# Altium PCB node-test-array__B4.PcbDoc (part 3 of 3) (continued)
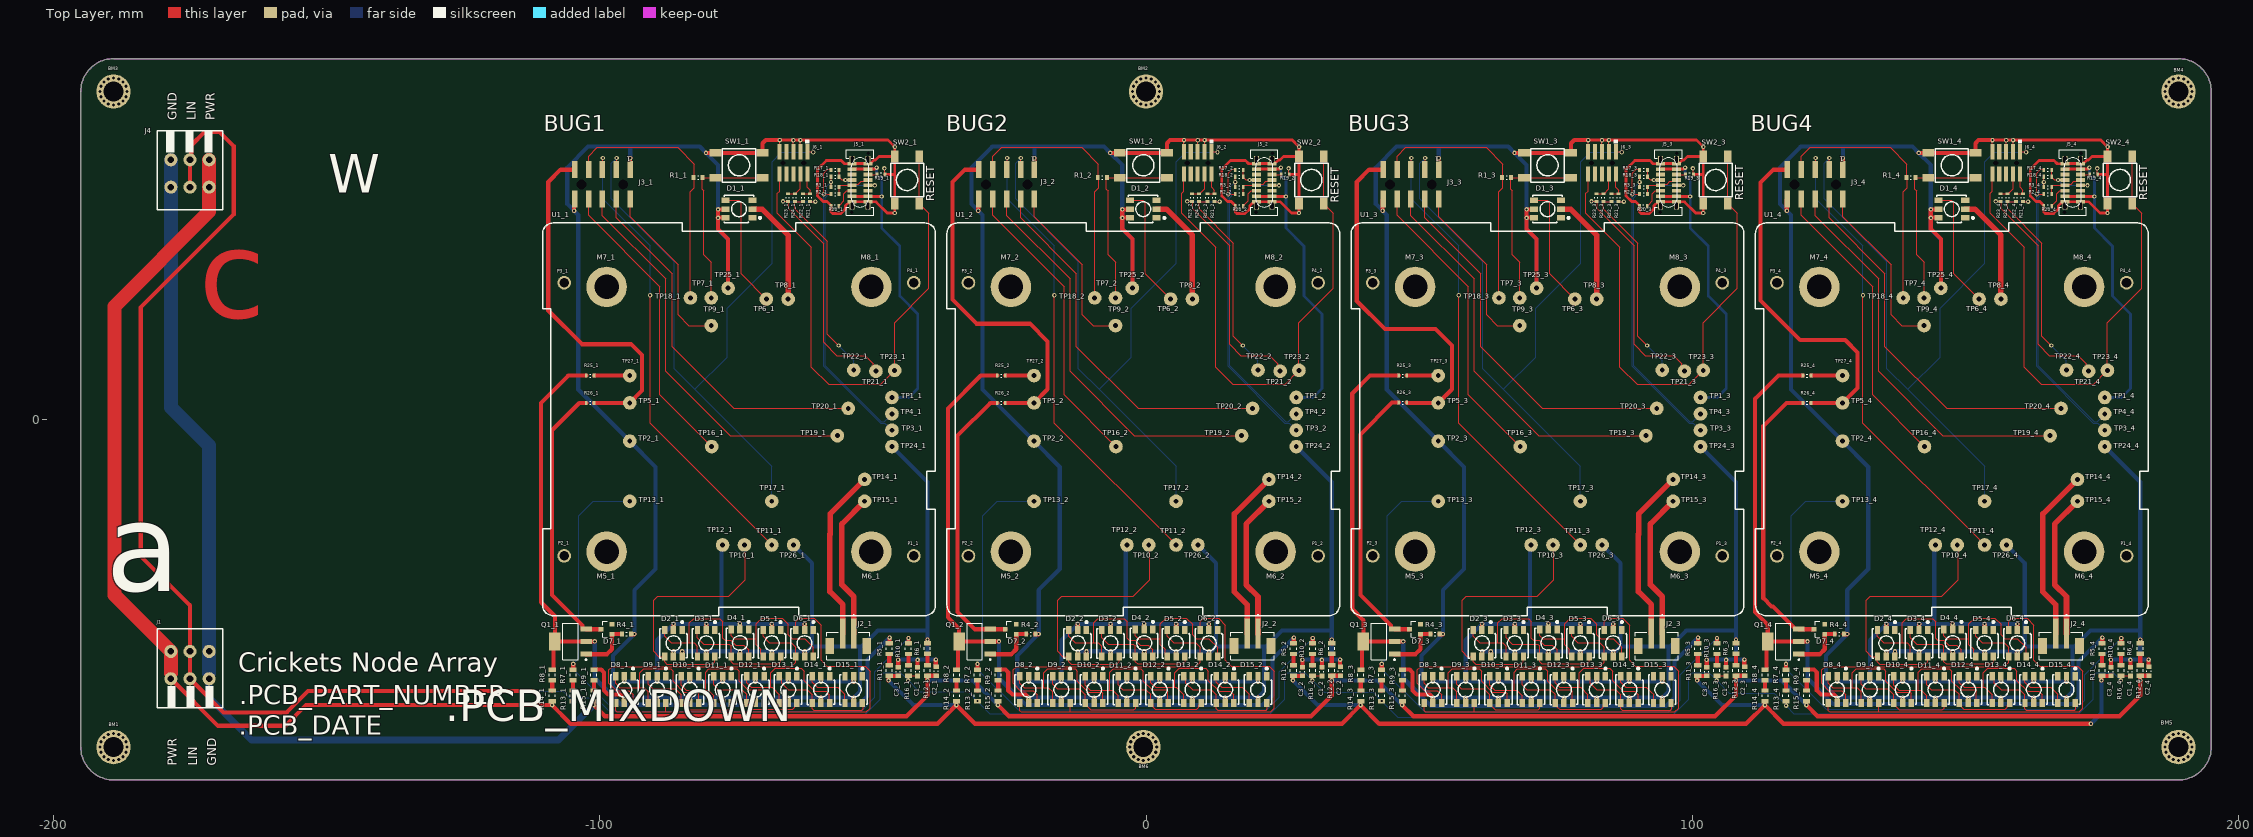
[diagram p0: Top Layer view]
## Nets (pads, with @x,y where several pads share a name; then routed paths per layer and width w, separated by ;. In a path a pad name is that pad's centre, name@x,y a point inside that pad or via, vN(x,y) a via of type N, cw(c..) or ccw(c..) an arc to the next point about the centre after c; other vN are vias at no path point) (continued)
  Top Layer w0.152: D1_2.4@-2.95,40.075 -0.557,40.075 -0.119,39.637 -0.119,26.619 TP6_2.1@4.5,22
NP0-EXT_3: D1_3.4 TP6_3.1 | length 22.6
  Top Layer w0.152: D1_3.4@71.05,40.075 73.443,40.075 73.881,39.637 73.881,26.619 TP6_3.1@78.5,22
NP0-EXT_4: D1_4.4 TP6_4.1 | length 22.6
  Top Layer w0.152: D1_4.4@145.05,40.075 147.443,40.075 147.881,39.637 147.881,26.619 TP6_4.1@152.5,22
NP1-EXT_1: D2_1.4 D3_1.6 TP10_1.1 | length 48.1
  Top Layer w0.152: D3_1.6@-78.9,-43.45 -78.9,-44.389 -79.342,-44.831 -87.683,-44.831 -88.1,-44.414 D2_1.4@-88.1,-43.45 -89.195,-43.45 -90.138,-42.507 -90.138,-33.135 -89.401,-32.398 -76.346,-32.398 -73.323,-29.376 -73.323,-23.177 TP10_1.1@-73.5,-23
NP1-EXT_2: D2_2.4 D3_2.6 TP10_2.1 | length 48.1
  Top Layer w0.152: D3_2.6@-4.9,-43.45 -4.9,-44.389 -5.342,-44.831 -13.683,-44.831 -14.1,-44.414 D2_2.4@-14.1,-43.45 -15.195,-43.45 -16.138,-42.507 -16.138,-33.135 -15.401,-32.398 -2.346,-32.398 0.677,-29.376 0.677,-23.177 TP10_2.1@0.5,-23
NP1-EXT_3: D2_3.4 D3_3.6 TP10_3.1 | length 48.1
  Top Layer w0.152: D3_3.6@69.1,-43.45 69.1,-44.389 68.658,-44.831 60.317,-44.831 59.9,-44.414 D2_3.4@59.9,-43.45 58.805,-43.45 57.862,-42.507 57.862,-33.135 58.599,-32.398 71.654,-32.398 74.677,-29.376 74.677,-23.177 TP10_3.1@74.5,-23
NP1-EXT_4: D2_4.4 D3_4.6 TP10_4.1 | length 48.1
  Top Layer w0.152: D3_4.6@143.1,-43.45 143.1,-44.389 142.658,-44.831 134.317,-44.831 133.9,-44.414 D2_4.4@133.9,-43.45 132.805,-43.45 131.862,-42.507 131.862,-33.135 132.599,-32.398 145.654,-32.398 148.677,-29.376 148.677,-23.177 TP10_4.1@148.5,-23
RESET_1: J6_1.10 SW2_1.B TP23_1.1 | length 98.2
  Top Layer w0.152: J6_1.10@-67.08,44.898 -67.08,41.748 -67.486,41.342 -67.486,37.71 -61.263,31.487 -61.263,9.567 -58.114,6.417 -48.55,6.417 TP23_1.1@-46.001,8.966 -46.001,17.691 -39.75,23.943 -39.75,37.761 SW2_1.B@-41.477,39.488 SW2_1.B@-41.477,48.124
RESET_2: J6_2.10 SW2_2.B TP23_2.1 | length 98.2
  Top Layer w0.152: J6_2.10@6.92,44.898 6.92,41.748 6.514,41.342 6.514,37.71 12.737,31.487 12.737,9.567 15.886,6.417 25.45,6.417 TP23_2.1@27.999,8.966 27.999,17.691 34.25,23.943 34.25,37.761 SW2_2.B@32.523,39.488 SW2_2.B@32.523,48.124
RESET_3: J6_3.10 SW2_3.B TP23_3.1 | length 98.2
  Top Layer w0.152: J6_3.10@80.92,44.898 80.92,41.748 80.514,41.342 80.514,37.71 86.737,31.487 86.737,9.567 89.886,6.417 99.45,6.417 TP23_3.1@101.999,8.966 101.999,17.691 108.25,23.943 108.25,37.761 SW2_3.B@106.523,39.488 SW2_3.B@106.523,48.124
RESET_4: J6_4.10 SW2_4.B TP23_4.1 | length 98.2
  Top Layer w0.152: J6_4.10@154.92,44.898 154.92,41.748 154.514,41.342 154.514,37.71 160.737,31.487 160.737,9.567 163.886,6.417 173.45,6.417 TP23_4.1@175.999,8.966 175.999,17.691 182.25,23.943 182.25,37.761 SW2_4.B@180.523,39.488 SW2_4.B@180.523,48.124
SP+_1: J2_1.2 TP14_1.1 | length 31.9
  Top Layer w1.016: J2_1.2@-55.5,-39.25 -55.5,-33.94 -57.88,-31.56 -57.88,-21.07 -57.829,-21.019 -57.829,-17.329 TP14_1.1@-51.5,-11
SP+_2: J2_2.2 TP14_2.1 | length 31.9
  Top Layer w1.016: J2_2.2@18.5,-39.25 18.5,-33.94 16.12,-31.56 16.12,-21.07 16.171,-21.019 16.171,-17.329 TP14_2.1@22.5,-11
SP+_3: J2_3.2 TP14_3.1 | length 31.9
  Top Layer w1.016: J2_3.2@92.5,-39.25 92.5,-33.94 90.12,-31.56 90.12,-21.07 90.171,-21.019 90.171,-17.329 TP14_3.1@96.5,-11
SP+_4: J2_4.2 TP14_4.1 | length 31.9
  Top Layer w1.016: J2_4.2@166.5,-39.25 166.5,-33.94 164.12,-31.56 164.12,-21.07 164.171,-21.019 164.171,-17.329 TP14_4.1@170.5,-11
SP-_1: J2_1.1 TP15_1.1 | length 26.9
  Top Layer w1.016: J2_1.1@-53.5,-39.25 -53.5,-32.46 -55.67,-30.29 -55.67,-19.17 TP15_1.1@-51.5,-15
SP-_2: J2_2.1 TP15_2.1 | length 26.9
  Top Layer w1.016: J2_2.1@20.5,-39.25 20.5,-32.46 18.33,-30.29 18.33,-19.17 TP15_2.1@22.5,-15
SP-_3: J2_3.1 TP15_3.1 | length 26.9
  Top Layer w1.016: J2_3.1@94.5,-39.25 94.5,-32.46 92.33,-30.29 92.33,-19.17 TP15_3.1@96.5,-15
SP-_4: J2_4.1 TP15_4.1 | length 26.9
  Top Layer w1.016: J2_4.1@168.5,-39.25 168.5,-32.46 166.33,-30.29 166.33,-19.17 TP15_4.1@170.5,-15
SWDCLK_1: R22_1.2 R24_1.2 TP22_1.1 | length 36.8
  Top Layer w0.152: R22_1.2@-62.762,39.855 R24_1.2@-64.286,39.855 -64.286,38.548 -58.342,32.604 -58.342,15.586 v1(-56.26,13.504)
  Bottom Layer w0.152: v1(-56.26,13.504) -53.5,10.744 TP22_1.1@-53.5,9
SWDCLK_2: R22_2.2 R24_2.2 TP22_2.1 | length 36.8
  Top Layer w0.152: R22_2.2@11.238,39.855 R24_2.2@9.714,39.855 9.714,38.548 16,32.262 16,15.244 v1(17.74,13.504)
  Bottom Layer w0.152: v1(17.74,13.504) 20.5,10.744 TP22_2.1@20.5,9
SWDCLK_3: R22_3.2 R24_3.2 TP22_3.1 | length 36.8
  Top Layer w0.152: R22_3.2@85.238,39.855 R24_3.2@83.714,39.855 83.714,38.548 90,32.262 90,15.244 v1(91.74,13.504)
  Bottom Layer w0.152: v1(91.74,13.504) 94.5,10.744 TP22_3.1@94.5,9
SWDCLK_4: R22_4.2 R24_4.2 TP22_4.1 | length 36.8
  Top Layer w0.152: R22_4.2@159.238,39.855 R24_4.2@157.714,39.855 157.714,38.548 164,32.262 164,15.244 v1(165.74,13.504)
  Bottom Layer w0.152: v1(165.74,13.504) 168.5,10.744 TP22_4.1@168.5,9
SWDIO_1: R21_1.2 R23_1.2 TP21_1.1 | length 48.6
  Top Layer w0.152: v1(-66.445,39.894) -65.595,39.894 R23_1.2@-65.556,39.855 -65.429,39.728 -65.429,38.548 -59,32.119 -59,14.06 -56.615,11.675 -51.357,11.675 -49.886,10.203 -49.886,9.25 TP21_1.1@-49.437,8.801 ; R21_1.2@-61.492,39.855 -60.769,39.855 -60.755,39.869 -60.552,39.869 v1(-60.527,39.843)
  Bottom Layer w0.152: v1(-66.445,39.894) -66.394,39.843 v1(-60.527,39.843)
SWDIO_2: R21_2.2 R23_2.2 TP21_2.1 | length 48.6
  Top Layer w0.152: v1(7.555,39.894) 8.405,39.894 R23_2.2@8.444,39.855 8.571,39.728 8.571,38.548 15.353,31.766 15.353,13.707 17.385,11.675 22.643,11.675 24.114,10.203 24.114,9.25 TP21_2.1@24.563,8.801 ; R21_2.2@12.508,39.855 13.231,39.855 13.245,39.869 13.448,39.869 v1(13.473,39.843)
  Bottom Layer w0.152: v1(7.555,39.894) 7.606,39.843 v1(13.473,39.843)
SWDIO_3: R21_3.2 R23_3.2 TP21_3.1 | length 48.6
  Top Layer w0.152: v1(81.555,39.894) 82.405,39.894 R23_3.2@82.444,39.855 82.571,39.728 82.571,38.548 89.353,31.766 89.353,13.707 91.385,11.675 96.643,11.675 98.114,10.203 98.114,9.25 TP21_3.1@98.563,8.801 ; R21_3.2@86.508,39.855 87.231,39.855 87.245,39.869 87.448,39.869 v1(87.473,39.843)
  Bottom Layer w0.152: v1(81.555,39.894) 81.606,39.843 v1(87.473,39.843)
SWDIO_4: R21_4.2 R23_4.2 TP21_4.1 | length 48.6
  Top Layer w0.152: v1(155.555,39.894) 156.405,39.894 R23_4.2@156.444,39.855 156.571,39.728 156.571,38.548 163.353,31.766 163.353,13.707 165.385,11.675 170.643,11.675 172.114,10.203 172.114,9.25 TP21_4.1@172.563,8.801 ; R21_4.2@160.508,39.855 161.231,39.855 161.245,39.869 161.448,39.869 v1(161.473,39.843)
  Bottom Layer w0.152: v1(155.555,39.894) 155.606,39.843 v1(161.473,39.843)
SYS-GND: C2_1.2 C2_2.2 C2_3.2 C2_4.2 J1.3 J4.3 R12_1.1 R12_2.1 R12_3.1 R12_4.1 R15_1.1 R15_2.1 R15_3.1 R15_4.1 | length 499.1
  Top Layer w0.762: v1(-101.106,-52.324) -99.065,-54.365 -43.814,-54.365 -39.994,-50.545 v1(-39.994,-47.81) ; v1@-101.106,-52.28 -101.106,-51.604 -101.087,-51.585 R15_1.1@-101.06,-51.585 ; v1@-39.994,-47.759 -40.045,-47.708 -40.045,-46.969 -40.026,-46.95 R12_1.1@-40,-46.95 -38.475,-46.95 C2_1.2@-38.426,-46.901 ; C2_1.2@-38.407,-46.882 C2_1.2@-38.426,-46.901 ; C2_1.2@-38.376,-46.901 C2_1.2@-38.426,-46.901 ; v1(-27.106,-52.324) -25.065,-54.365 30.186,-54.365 34.006,-50.545 v1(34.006,-47.81) ; v1@-27.106,-52.28 -27.106,-51.604 -27.087,-51.585 R15_2.1@-27.06,-51.585 ; v1@34.006,-47.759 33.955,-47.708 33.955,-46.969 33.974,-46.95 R12_2.1@34,-46.95 35.525,-46.95 C2_2.2@35.574,-46.901 ; C2_2.2@35.593,-46.882 C2_2.2@35.574,-46.901 ; C2_2.2@35.624,-46.901 C2_2.2@35.574,-46.901 ; v1(46.894,-52.324) 48.935,-54.365 104.186,-54.365 108.006,-50.545 v1(108.006,-47.81) ; v1@46.894,-52.28 46.894,-51.604 46.913,-51.585 R15_3.1@46.94,-51.585 ; v1@108.006,-47.759 107.955,-47.708 107.955,-46.969 107.974,-46.95 R12_3.1@108,-46.95 109.525,-46.95 C2_3.2@109.574,-46.901 ; C2_3.2@109.593,-46.882 C2_3.2@109.574,-46.901 ; C2_3.2@109.624,-46.901 C2_3.2@109.574,-46.901 ; v1(120.894,-52.324) 122.935,-54.365 178.186,-54.365 182.006,-50.545 v1(182.006,-47.81) ; v1@120.894,-52.28 120.894,-51.604 120.913,-51.585 R15_4.1@120.94,-51.585 ; v1@182.006,-47.759 181.955,-47.708 181.955,-46.969 181.974,-46.95 R12_4.1@182,-46.95 183.525,-46.95 C2_4.2@183.574,-46.901 ; C2_4.2@183.593,-46.882 C2_4.2@183.574,-46.901 ; C2_4.2@183.624,-46.901 C2_4.2@183.574,-46.901
  Bottom Layer w0.762: v1(-39.994,-47.81) -31.62,-47.81 v1(-27.106,-52.324) ; v1(34.006,-47.81) 42.38,-47.81 v1(46.894,-52.324) ; v1(108.006,-47.81) 116.38,-47.81 v1(120.894,-52.324)
  Bottom Layer w1.27: J1.3@-171.5,-47.5 -171.5,-50.953 -163.719,-58.734 -107.516,-58.734 v1(-101.106,-52.324)
  Bottom Layer w2.54: J4.3@-178.5,47.5 J4.3@-178.5,42.5 -178.5,2.173 -171.5,-4.827 J1.3@-171.5,-42.5 J1.3@-171.5,-46.5
SYS-LIN: C1_1.2 C1_2.2 C1_3.2 C1_4.2 J1.2 J4.2 R13_1.1 R13_2.1 R13_3.1 R13_4.1 R16_1.1 R16_2.1 R16_3.1 R16_4.1 | length 528.7
  Top Layer w0.203: R13_1.1@-104.87,-51.585 -104.864,-51.579 v1(-104.848,-51.579) ; v1@-43.55,-47.759 -43.55,-46.994 -43.531,-46.975 R16_1.1@-43.5,-46.975 -41.929,-46.975 -41.855,-46.901 C1_1.2@-41.805,-46.901 ; R13_2.1@-30.87,-51.585 -30.864,-51.579 v1(-30.848,-51.579) ; v1@30.45,-47.759 30.45,-46.994 30.469,-46.975 R16_2.1@30.5,-46.975 32.071,-46.975 32.145,-46.901 C1_2.2@32.195,-46.901 ; R13_3.1@43.13,-51.585 43.136,-51.579 v1(43.152,-51.579) ; v1@104.45,-47.759 104.45,-46.994 104.469,-46.975 R16_3.1@104.5,-46.975 106.071,-46.975 106.145,-46.901 C1_3.2@106.195,-46.901 ; R13_4.1@117.13,-51.585 117.17,-51.625 v1(117.17,-52.426) ; v1@178.45,-47.759 178.45,-46.994 178.469,-46.975 R16_4.1@178.5,-46.975 180.071,-46.975 180.145,-46.901 C1_4.2@180.195,-46.901
  Top Layer w0.762: J1.2@-175,-47.5 -168.855,-53.645 -157.302,-53.645 -153.416,-49.759 v1(-112.039,-49.759) ; J1.2@-175,-46.5 J1.2@-175,-42.5 -175,-34.054 -184.023,-25.031 -184.023,20.477 -167,37.5 -167,50 -169.603,52.603 -172.339,52.603 -174.777,50.165 -174.777,47.723 J4.2@-175,47.5 J4.2@-175,42.5
  Bottom Layer w0.152: v1(-112.039,-49.759) -106.668,-49.759 v1(-104.848,-51.579)
  Bottom Layer w0.203: v1(-104.848,-51.579) -104.256,-50.987 -100.735,-50.987 -97.442,-54.28 -51.704,-54.28 -48.64,-51.216 -48.64,-47.025 -48.03,-46.415 -44.945,-46.415 -44.282,-47.078 v1(-43.55,-47.81) -41.49,-49.869 -32.557,-49.869 v1(-30.848,-51.579) -28.569,-53.857 22.719,-53.857 25.36,-51.216 25.36,-47.025 25.97,-46.415 29.055,-46.415 29.718,-47.078 v1(30.45,-47.81) 32.653,-50.013 41.586,-50.013 v1(43.152,-51.579) 46.082,-54.508 96.068,-54.508 99.36,-51.216 99.36,-47.025 99.97,-46.415 103.055,-46.415 103.718,-47.078 v1(104.45,-47.81) 106.789,-50.149 114.977,-50.149 117.17,-52.342 v1(117.17,-52.426) 118.602,-53.857 170.719,-53.857 173.36,-51.216 173.36,-47.025 173.97,-46.415 177.055,-46.415 177.718,-47.078 v1(178.45,-47.81)
SYS-PWR: C3_1.2 C3_2.2 C3_3.2 C3_4.2 J1.1 J4.1 R11_1.1 R11_2.1 R11_3.1 R11_4.1 R14_1.1 R14_2.1 R14_3.1 R14_4.1 | length 537.4
  Top Layer w0.762: J1.1@-178.5,-47.5 -169.891,-56.109 -157.556,-56.109 -153.772,-52.324 v1(-108.726,-52.324) -105.313,-55.737 -38.139,-55.737 v1(-34.726,-52.324) -31.313,-55.737 35.861,-55.737 v1(39.274,-52.324) 42.687,-55.737 109.861,-55.737 v1(113.274,-52.324) 116.687,-55.737 v1(172.949,-55.737) ; v1@-108.726,-52.28 -108.726,-51.604 -108.707,-51.585 R14_1.1@-108.68,-51.585 ; R11_1.1@-47.25,-46.975 R11_1.1@-47.087,-46.975 ; v1(-47.106,-47.81) -47.106,-46.994 R11_1.1@-47.087,-46.975 ; C3_1.2@-45.361,-46.901 -45.411,-46.901 -45.485,-46.975 R11_1.1@-47,-46.975 R11_1.1@-47.087,-46.975 ; v1@-34.726,-52.28 -34.726,-51.604 -34.707,-51.585 R14_2.1@-34.68,-51.585 ; R11_2.1@26.75,-46.975 R11_2.1@26.913,-46.975 ; v1(26.894,-47.81) 26.894,-46.994 R11_2.1@26.913,-46.975 ; C3_2.2@28.639,-46.901 28.589,-46.901 28.515,-46.975 R11_2.1@27,-46.975 R11_2.1@26.913,-46.975 ; v1@39.274,-52.28 39.274,-51.604 39.293,-51.585 R14_3.1@39.32,-51.585 ; R11_3.1@100.75,-46.975 R11_3.1@100.913,-46.975 ; v1(100.894,-47.81) 100.894,-46.994 R11_3.1@100.913,-46.975 ; C3_3.2@102.639,-46.901 102.589,-46.901 102.515,-46.975 R11_3.1@101,-46.975 R11_3.1@100.913,-46.975 ; v1@113.274,-52.28 113.274,-51.604 113.293,-51.585 R14_4.1@113.32,-51.585 ; R11_4.1@174.75,-46.975 R11_4.1@174.913,-46.975 ; v1(174.894,-47.81) 174.894,-46.994 R11_4.1@174.913,-46.975 ; C3_4.2@176.639,-46.901 176.589,-46.901 176.515,-46.975 R11_4.1@175,-46.975 R11_4.1@174.913,-46.975
  Top Layer w2.54: J1.1@-178.5,-46.5 J1.1@-178.5,-42.5 -188.824,-32.176 -188.824,20.676 -171.5,38 J4.1@-171.5,42.5 J4.1@-171.5,47.5
  Bottom Layer w0.762: v1(-47.106,-47.81) -42.592,-52.324 v1(-34.726,-52.324) ; v1(26.894,-47.81) 31.408,-52.324 v1(39.274,-52.324) ; v1(100.894,-47.81) 105.408,-52.324 v1(113.274,-52.324) ; v1(172.949,-55.737) 174.894,-53.791 v1(174.894,-47.81)
TEST0_1: J3_1.6 TP19_1.1 | length 72.6
  Top Layer w0.152: J3_1.6@-99.5,40.31 -99.5,37.294 -87.911,25.705 -87.911,8.763 -76.148,-3 TP19_1.1@-56.5,-3
TEST0_2: J3_2.6 TP19_2.1 | length 72.6
  Top Layer w0.152: J3_2.6@-25.5,40.31 -25.5,37.294 -13.911,25.705 -13.911,8.763 -2.148,-3 TP19_2.1@17.5,-3
TEST0_3: J3_3.6 TP19_3.1 | length 72.6
  Top Layer w0.152: J3_3.6@48.5,40.31 48.5,37.294 60.089,25.705 60.089,8.763 71.852,-3 TP19_3.1@91.5,-3
TEST0_4: J3_4.6 TP19_4.1 | length 72.6
  Top Layer w0.152: J3_4.6@122.5,40.31 122.5,37.294 134.089,25.705 134.089,8.763 145.852,-3 TP19_4.1@165.5,-3
TEST1_1: J3_1.4 TP20_1.1 | length 68.2
  Top Layer w0.152: J3_1.4@-96.96,40.31 -96.96,36.887 -86.743,26.67 -86.743,13.31 -75.433,2 TP20_1.1@-54.5,2
TEST1_2: J3_2.4 TP20_2.1 | length 68.2
  Top Layer w0.152: J3_2.4@-22.96,40.31 -22.96,36.887 -12.743,26.67 -12.743,13.31 -1.433,2 TP20_2.1@19.5,2
TEST1_3: J3_3.4 TP20_3.1 | length 68.2
  Top Layer w0.152: J3_3.4@51.04,40.31 51.04,36.887 61.257,26.67 61.257,13.31 72.567,2 TP20_3.1@93.5,2
TEST1_4: J3_4.4 TP20_4.1 | length 68.2
  Top Layer w0.152: J3_4.4@125.04,40.31 125.04,36.887 135.257,26.67 135.257,13.31 146.567,2 TP20_4.1@167.5,2
TEST2_1: J3_1.2 TP9_1.1 | length 31.7
  Top Layer w0.152: J3_1.2@-94.42,40.31 -94.42,37.09 -85.625,28.296 -85.625,19.101 -83.669,17.145 TP9_1.1@-79.58,17.145
TEST2_2: J3_2.2 TP9_2.1 | length 31.7
  Top Layer w0.152: J3_2.2@-20.42,40.31 -20.42,37.09 -11.625,28.296 -11.625,19.101 -9.669,17.145 TP9_2.1@-5.58,17.145
TEST2_3: J3_3.2 TP9_3.1 | length 31.7
  Top Layer w0.152: J3_3.2@53.58,40.31 53.58,37.09 62.375,28.296 62.375,19.101 64.331,17.145 TP9_3.1@68.42,17.145
TEST2_4: J3_4.2 TP9_4.1 | length 31.7
  Top Layer w0.152: J3_4.2@127.58,40.31 127.58,37.09 136.375,28.296 136.375,19.101 138.331,17.145 TP9_4.1@142.42,17.145
USB-DEVICE-D_1_N: R3_1.2 R18_1.2 TP4_1.1 | length 53
  Top Layer w0.152: v1(-57.657,43.399) v1@-57.645,43.388 ; R3_1.2@-57.645,42.485 -57.657,42.497 -57.657,43.376 v1@-57.645,43.388 ; R18_1.2@-57.645,44.39 v1@-57.645,43.388
  Bottom Layer w0.152: v1(-57.657,43.399) -58.444,42.612 -58.444,41.605 -58.317,41.478 -58.317,40.952 -58.673,40.596 -58.673,9.795 -48.462,-0.416 -47.916,-0.416 TP4_1.1@-46.5,1
USB-DEVICE-D_1_P: R2_1.2 R17_1.2 TP3_1.1 | length 55.7
  Top Layer w0.152: R2_1.2@-57.645,41.215 v1(-58.952,41.215) -58.952,45.05 -58.215,45.787 -57.772,45.787 R17_1.2@-57.645,45.66
  Bottom Layer w0.152: v1(-58.952,41.215) -58.977,41.19 -58.977,9.669 -48.588,-0.72 -47.78,-0.72 TP3_1.1@-46.5,-2
USB-DEVICE-D_2_N: R3_2.2 R18_2.2 TP4_2.1 | length 53
  Top Layer w0.152: v1(16.343,43.399) v1@16.355,43.388 ; R3_2.2@16.355,42.485 16.343,42.497 16.343,43.376 v1@16.355,43.388 ; R18_2.2@16.355,44.39 v1@16.355,43.388
  Bottom Layer w0.152: v1(16.343,43.399) 15.556,42.612 15.556,41.605 15.683,41.478 15.683,40.952 15.327,40.596 15.327,9.795 25.538,-0.416 26.084,-0.416 TP4_2.1@27.5,1
USB-DEVICE-D_2_P: R2_2.2 R17_2.2 TP3_2.1 | length 55.7
  Top Layer w0.152: R2_2.2@16.355,41.215 v1(15.048,41.215) 15.048,45.05 15.785,45.787 16.228,45.787 R17_2.2@16.355,45.66
  Bottom Layer w0.152: v1(15.048,41.215) 15.023,41.19 15.023,9.669 25.412,-0.72 26.22,-0.72 TP3_2.1@27.5,-2
USB-DEVICE-D_3_N: R3_3.2 R18_3.2 TP4_3.1 | length 53
  Top Layer w0.152: v1(90.343,43.399) v1@90.355,43.388 ; R3_3.2@90.355,42.485 90.343,42.497 90.343,43.376 v1@90.355,43.388 ; R18_3.2@90.355,44.39 v1@90.355,43.388
  Bottom Layer w0.152: v1(90.343,43.399) 89.556,42.612 89.556,41.605 89.683,41.478 89.683,40.952 89.327,40.596 89.327,9.795 99.538,-0.416 100.084,-0.416 TP4_3.1@101.5,1
USB-DEVICE-D_3_P: R2_3.2 R17_3.2 TP3_3.1 | length 55.7
  Top Layer w0.152: R2_3.2@90.355,41.215 v1(89.048,41.215) 89.048,45.05 89.785,45.787 90.228,45.787 R17_3.2@90.355,45.66
  Bottom Layer w0.152: v1(89.048,41.215) 89.023,41.19 89.023,9.669 99.412,-0.72 100.22,-0.72 TP3_3.1@101.5,-2
USB-DEVICE-D_4_N: R3_4.2 R18_4.2 TP4_4.1 | length 53
  Top Layer w0.152: v1(164.343,43.399) v1@164.355,43.388 ; R3_4.2@164.355,42.485 164.343,42.497 164.343,43.376 v1@164.355,43.388 ; R18_4.2@164.355,44.39 v1@164.355,43.388
  Bottom Layer w0.152: v1(164.343,43.399) 163.556,42.612 163.556,41.605 163.683,41.478 163.683,40.952 163.327,40.596 163.327,9.795 173.538,-0.416 174.084,-0.416 TP4_4.1@175.5,1
USB-DEVICE-D_4_P: R2_4.2 R17_4.2 TP3_4.1 | length 55.7
  Top Layer w0.152: R2_4.2@164.355,41.215 v1(163.048,41.215) 163.048,45.05 163.785,45.787 164.228,45.787 R17_4.2@164.355,45.66
  Bottom Layer w0.152: v1(163.048,41.215) 163.023,41.19 163.023,9.669 173.412,-0.72 174.22,-0.72 TP3_4.1@175.5,-2
VBUS_1: J5_1.A4 J5_1.A9 J5_1.B4 J5_1.B9 TP1_1.1 | length 58.9
  Top Layer w0.508: J5_1.A4@-53.786,40.806 J5_1.B9@-50.926,40.806 -50.914,40.795 -48.397,40.795 v1(-48.386,40.783) ; J5_1.A9@-53.786,45.806 J5_1.B4@-50.926,45.806 -49.586,45.806 v1(-49.325,46.066)
  Bottom Layer w0.508: v1(-49.325,46.066) -49.325,44.781 -48.386,43.841 v1(-48.386,40.783) -48.386,34.992 -45.058,31.665 -45.058,22.546 -41.782,19.269 -41.782,5.63 -43.411,4 TP1_1.1@-46.5,4
VBUS_2: J5_2.A4 J5_2.A9 J5_2.B4 J5_2.B9 TP1_2.1 | length 58.9
  Top Layer w0.508: J5_2.A4@20.214,40.806 J5_2.B9@23.074,40.806 23.086,40.795 25.603,40.795 v1(25.614,40.783) ; J5_2.A9@20.214,45.806 J5_2.B4@23.074,45.806 24.414,45.806 v1(24.675,46.066)
  Bottom Layer w0.508: v1(24.675,46.066) 24.675,44.781 25.614,43.841 v1(25.614,40.783) 25.614,34.992 28.942,31.665 28.942,22.546 32.218,19.269 32.218,5.63 30.589,4 TP1_2.1@27.5,4
VBUS_3: J5_3.A4 J5_3.A9 J5_3.B4 J5_3.B9 TP1_3.1 | length 58.9
  Top Layer w0.508: J5_3.A4@94.214,40.806 J5_3.B9@97.074,40.806 97.086,40.795 99.603,40.795 v1(99.614,40.783) ; J5_3.A9@94.214,45.806 J5_3.B4@97.074,45.806 98.414,45.806 v1(98.675,46.066)
  Bottom Layer w0.508: v1(98.675,46.066) 98.675,44.781 99.614,43.841 v1(99.614,40.783) 99.614,34.992 102.942,31.665 102.942,22.546 106.218,19.269 106.218,5.63 104.589,4 TP1_3.1@101.5,4
VBUS_4: J5_4.A4 J5_4.A9 J5_4.B4 J5_4.B9 TP1_4.1 | length 58.9
  Top Layer w0.508: J5_4.A4@168.214,40.806 J5_4.B9@171.074,40.806 171.086,40.795 173.603,40.795 v1(173.614,40.783) ; J5_4.A9@168.214,45.806 J5_4.B4@171.074,45.806 172.414,45.806 v1(172.675,46.066)
  Bottom Layer w0.508: v1(172.675,46.066) 172.675,44.781 173.614,43.841 v1(173.614,40.783) 173.614,34.992 176.942,31.665 176.942,22.546 180.218,19.269 180.218,5.63 178.589,4 TP1_4.1@175.5,4
VDD_1: J3_1.3 J6_1.1 TP17_1.1 | length 134.5
  Top Layer w0.152: J3_1.3@-96.96,45.69 -96.903,45.747 v1(-96.903,47.828) ; J6_1.1@-62,48.962 -60.984,48.962 v1(-60.908,48.886)
  Bottom Layer w0.152: v1(-96.903,47.828) -97.868,46.863 -97.868,40.335 -86.387,28.854 -86.387,9.246 -82.596,5.455 ; TP17_1.1@-68.5,-15 -68.5,-8.642 -82.596,5.455 ; v1(-60.908,48.886) -66.724,48.886 -68.426,47.184 -68.426,28.54 -76.654,20.312 -76.654,11.397 -82.596,5.455
VDD_2: J3_2.3 J6_2.1 TP17_2.1 | length 134.5
  Top Layer w0.152: J3_2.3@-22.96,45.69 -22.903,45.747 v1(-22.903,47.828) ; J6_2.1@12,48.962 13.016,48.962 v1(13.092,48.886)
  Bottom Layer w0.152: v1(-22.903,47.828) -23.868,46.863 -23.868,40.335 -12.387,28.854 -12.387,9.246 -8.596,5.455 ; TP17_2.1@5.5,-15 5.5,-8.642 -8.596,5.455 ; v1(13.092,48.886) 7.276,48.886 5.574,47.184 5.574,28.54 -2.654,20.312 -2.654,11.397 -8.596,5.455
VDD_3: J3_3.3 J6_3.1 TP17_3.1 | length 134.5
  Top Layer w0.152: J3_3.3@51.04,45.69 51.097,45.747 v1(51.097,47.828) ; J6_3.1@86,48.962 87.016,48.962 v1(87.092,48.886)
  Bottom Layer w0.152: v1(51.097,47.828) 50.132,46.863 50.132,40.335 61.613,28.854 61.613,9.246 65.404,5.455 ; TP17_3.1@79.5,-15 79.5,-8.642 65.404,5.455 ; v1(87.092,48.886) 81.276,48.886 79.574,47.184 79.574,28.54 71.346,20.312 71.346,11.397 65.404,5.455
VDD_4: J3_4.3 J6_4.1 TP17_4.1 | length 134.5
  Top Layer w0.152: J3_4.3@125.04,45.69 125.097,45.747 v1(125.097,47.828) ; J6_4.1@160,48.962 161.016,48.962 v1(161.092,48.886)
  Bottom Layer w0.152: v1(125.097,47.828) 124.132,46.863 124.132,40.335 135.613,28.854 135.613,9.246 139.404,5.455 ; TP17_4.1@153.5,-15 153.5,-8.642 139.404,5.455 ; v1(161.092,48.886) 155.276,48.886 153.574,47.184 153.574,28.54 145.346,20.312 145.346,11.397 139.404,5.455
VIN-PROTECT_1: J3_1.9 R26_1.2 TP5_1.1 | length 66.4
  Top Layer w0.762: J3_1.9@-104.58,45.69 -107.144,45.69 -109.425,43.409 -109.425,19.925 -103.25,13.75 -94.25,13.75 -92.25,11.75 -92.25,5.25 TP5_1.1@-94.5,3 ; R26_1.2@-101.025,3 TP5_1.1@-94.5,3 ; TP5_1.1@-94.777,3.277 TP5_1.1@-94.5,3
VIN-PROTECT_2: J3_2.9 R26_2.2 TP5_2.1 | length 65.4
  Top Layer w0.762: J3_2.9@-30.58,45.69 -33.144,45.69 -35.425,43.409 -35.425,21.925 -31,17.5 -21.25,17.5 -18,14.25 -18,5.5 TP5_2.1@-20.5,3 R26_2.2@-25.775,3
VIN-PROTECT_3: J3_3.9 R26_3.2 TP5_3.1 | length 65.7
  Top Layer w0.762: J3_3.9@43.42,45.69 40.856,45.69 38.575,43.409 38.575,21.675 43.75,16.5 53,16.5 56,13.5 56,5.5 TP5_3.1@53.5,3 47.785,3 R26_3.2@47.725,3.06
VIN-PROTECT_4: J3_4.9 R26_4.2 TP5_4.1 | length 65.3
  Top Layer w0.762: J3_4.9@117.42,45.69 114.856,45.69 112.5,43.334 112.5,21.75 119.75,14.5 128,14.5 130.25,12.25 130.25,5.75 TP5_4.1@127.5,3 R26_4.2@121.725,3
pads on no net: BM1.1 BM2.1 BM3.1 BM4.1 BM5.1 BM6.1 D1_1.1 D1_1.3 D1_2.1 D1_2.3 D1_3.1 D1_3.3 D1_4.1 D1_4.3 D2_1.1 D2_2.1 D2_3.1 D2_4.1 D3_1.1 D3_2.1 D3_3.1 D3_4.1 D4_1.1 D4_2.1 D4_3.1 D4_4.1 D5_1.1 D5_2.1 D5_3.1 D5_4.1 D6_1.1 D6_2.1 D6_3.1 D6_4.1 D7_1.2 D7_2.2 D7_3.2 D7_4.2 D8_1.1 D8_2.1 D8_3.1 D8_4.1 D9_1.1 D9_2.1 D9_3.1 D9_4.1 D10_1.1 D10_2.1 D10_3.1 D10_4.1 D11_1.1 D11_2.1 D11_3.1 D11_4.1 D12_1.1 D12_2.1 D12_3.1 D12_4.1 D13_1.1 D13_2.1 D13_3.1 D13_4.1 D14_1.1 D14_2.1 D14_3.1 D14_4.1 D15_1.1 D15_1.3 D15_2.1 D15_2.3 D15_3.1 D15_3.3 D15_4.1 D15_4.3 J2_1.M1 J2_1.M2 J2_2.M1 J2_2.M2 J2_3.M1 J2_3.M2 J2_4.M1 J2_4.M2 J3_1.M J3_2.M J3_3.M J3_4.M J5_1.A8 J5_1.B8 J5_1.M J5_2.A8 J5_2.B8 J5_2.M J5_3.A8 J5_3.B8 J5_3.M J5_4.A8 J5_4.B8 J5_4.M J6_1.6 J6_1.7 J6_1.8 J6_1.M J6_2.6 J6_2.7 J6_2.8 J6_2.M J6_3.6 J6_3.7 J6_3.8 J6_3.M J6_4.6 J6_4.7 J6_4.8 J6_4.M M5_1.1 M5_2.1 M5_3.1 M5_4.1 M6_1.1 M6_2.1 M6_3.1 M6_4.1 M7_1.1 M7_2.1 M7_3.1 M7_4.1 M8_1.1 M8_2.1 M8_3.1 M8_4.1 P1_1.1 P1_2.1 P1_3.1 P1_4.1 P2_1.1 P2_2.1 P2_3.1 P2_4.1 P3_1.1 P3_2.1 P3_3.1 P3_4.1 P4_1.1 P4_2.1 P4_3.1 P4_4.1

## Polygon pours and split planes (outlines as drawn)
GND_4 on Bottom Layer "NONET_L-01_P-001" (solid, remove dead copper, pour order 3): 113.079,54.603 113.079,-7.5 178.891,-7.5 178.891,54.603
GND_3 on Bottom Layer "NONET_L-01_P-001" (solid, remove dead copper, pour order 2): 40.156,54.502 40.156,-7.601 105.967,-7.601 105.967,54.502
GND_2 on Bottom Layer "NONET_L-01_P-001" (solid, remove dead copper, pour order 1): -34.241,54.146 -34.241,-7.957 31.571,-7.957 31.571,54.146
GND_1 on Bottom Layer "NONET_L-01_P-001" (solid, remove dead copper, pour order 0): -106.604,54.026 -106.604,-8.077 -40.792,-8.077 -40.792,54.026

## Keep-outs
Keep-Out Layer:
  the board outline again, w0.025

## Other copper
Top Layer:
  text "c" at -173.358,13.088 h27.94

## Silkscreen, mask and mechanical layers (free items; w line width, h text height)
Top Overlay:
  lines w0.254: -195,60 -195,60
  text "GND" at -176.879,54.742 h2.79 r90
  text "LIN" at -173.379,54.742 h2.79 r90
  text "PWR" at -169.879,54.742 h2.79 r90
  text "BUG1" at -110.26,51.726 h5.08
  text "BUG2" at -36.6,51.726 h5.08
  text "BUG3" at 37.06,51.726 h5.08
  text "BUG4" at 110.72,51.726 h5.08
  text "RESET" at 109.836,40.135 h2.54 r90
  text "RESET" at 183.836,40.135 h2.54 r90
  text "RESET" at -38.206,39.954 h2.54 r90
  text "RESET" at 35.836,39.635 h2.54 r90
  text "W" at -149.704,39.215 h12
  text "a" at -190.451,-36.876 h27.94
  text "Crickets Node Array" at -166.129,-47.388 h6
  text ".PCB_PART_NUMBER" at -166.008,-53.395 h6
  text ".PCB_MIXDOWN" at -128.287,-57.214 h10
  text ".PCB_DATE" at -166.077,-58.895 h6
  text "PWR" at -176.913,-63.445 h2.79 r90
  text "LIN" at -173.163,-63.445 h2.79 r90
  text "GND" at -169.663,-63.445 h2.79 r90
Top Solder:
  the board outline again, w5.08
  text "b" at -170.431,-12.319 h27.94
Bottom Solder:
  lines w2.54: -195,-282 ccw(c-189,-282) -189,-288 189,-288 ccw(c189,-282) 195,-282 195,60 ccw(c189,60) 189,66 -189,66 ccw(c-189,60) -195,60 -195,-282
  lines w5.08: -195,-60 ccw(c-189,-60) -189,-66 189,-66 ccw(c189,-60) 195,-60 195,60 ccw(c189,60) 189,66 -189,66 ccw(c-189,60) -195,60 -195,-60
[8] Board Outline:
  the board outline again, w0.025

## Text inside footprints (layer, text, board x,y; h text height)
J3_1: Top Overlay "1" at -94.293,48.461 h1.52 r180
J3_2: Top Overlay "1" at -20.293,48.461 h1.52 r180
J3_3: Top Overlay "1" at 53.707,48.461 h1.52 r180
J3_4: Top Overlay "1" at 127.707,48.461 h1.52 r180
U1_1: Top Assembly "TP27" at -93.296,7.62 h1.5; Top Assembly "M3" at -51.132,27.195 h1.5; Top Assembly "M3" at -51.005,-28.05 h1.5; Top Assembly "M3" at -99.773,-28.177 h1.5; Top Assembly "M3" at -99.519,27.068 h1.5; Top Assembly "ALIGN" at -44.782,26.433 h1.5; Top Assembly "ALIGN" at -44.655,-27.288 h1.5; Top Assembly "ALIGN" at -108.79,-27.415 h1.5; Top Assembly "ALIGN" at -108.79,26.306 h1.5; Top Assembly "TP25" at -77.929,21.734 h1.5; Top Assembly "TP26" at -66.207,-21.482 h1.5; Top Assembly "TP24" at -50.878,-5.461 h1.5; Top Assembly "TP22" at -57.863,8.509 h1.5; Top Assembly "TP23" at -44.782,8.526 h1.5; Top Assembly "TP21" at -51.132,6.604 h1.5; Top Assembly "TP20" at -58.879,1.414 h1.5; Top Assembly "TP19" at -60.911,-3.412 h1.5; Top Assembly "TP18" at -84.914,19.829 h1.5; Top Assembly "TP17" at -69.623,-13.792 h1.5; Top Assembly "TP16" at -80.926,-3.743 h1.5; Top Assembly "TP15" at -55.958,-15.604 h1.5; Top Assembly "TP14" at -55.831,-11.557 h1.5; Top Assembly "TP13" at -93.118,-15.3 h1.5; Top Assembly "TP12" at -79.021,-25.349 h1.5; Top Assembly "TP11" at -69.75,-25.476 h1.5; Top Assembly "TP10" at -74.957,-21.523 h1.5; Top Assembly "TP9" at -80.723,18.432 h1.5; Top Assembly "TP8" at -66.702,23.309 h1.5; Top Assembly "TP7" at -80.723,23.622 h1.5; Top Assembly "TP6" at -70.563,19.702 h1.5; Top Assembly "TP5" at -93.245,2.607 h1.5; Top Assembly "TP4" at -50.116,0.508 h1.5; Top Assembly "TP3" at -50.116,-2.523 h1.5; Top Assembly "TP2" at -93.118,-4.521 h1.5; Top Assembly "TP1" at -50.116,3.556 h1.5
U1_2: Top Assembly "TP27" at -19.296,7.62 h1.5; Top Assembly "M3" at 22.868,27.195 h1.5; Top Assembly "M3" at 22.995,-28.05 h1.5; Top Assembly "M3" at -25.773,-28.177 h1.5; Top Assembly "M3" at -25.519,27.068 h1.5; Top Assembly "ALIGN" at 29.218,26.433 h1.5; Top Assembly "ALIGN" at 29.345,-27.288 h1.5; Top Assembly "ALIGN" at -34.79,-27.415 h1.5; Top Assembly "ALIGN" at -34.79,26.306 h1.5; Top Assembly "TP25" at -3.929,21.734 h1.5; Top Assembly "TP26" at 7.793,-21.482 h1.5; Top Assembly "TP24" at 23.122,-5.461 h1.5; Top Assembly "TP22" at 16.137,8.509 h1.5; Top Assembly "TP23" at 29.218,8.526 h1.5; Top Assembly "TP21" at 22.868,6.604 h1.5; Top Assembly "TP20" at 15.121,1.414 h1.5; Top Assembly "TP19" at 13.089,-3.412 h1.5; Top Assembly "TP18" at -10.914,19.829 h1.5; Top Assembly "TP17" at 4.377,-13.792 h1.5; Top Assembly "TP16" at -6.926,-3.743 h1.5; Top Assembly "TP15" at 18.042,-15.604 h1.5; Top Assembly "TP14" at 18.169,-11.557 h1.5; Top Assembly "TP13" at -19.118,-15.3 h1.5; Top Assembly "TP12" at -5.021,-25.349 h1.5; Top Assembly "TP11" at 4.25,-25.476 h1.5; Top Assembly "TP10" at -0.957,-21.523 h1.5; Top Assembly "TP9" at -6.723,18.432 h1.5; Top Assembly "TP8" at 7.298,23.309 h1.5; Top Assembly "TP7" at -6.723,23.622 h1.5; Top Assembly "TP6" at 3.437,19.702 h1.5; Top Assembly "TP5" at -19.245,2.607 h1.5; Top Assembly "TP4" at 23.884,0.508 h1.5; Top Assembly "TP3" at 23.884,-2.523 h1.5; Top Assembly "TP2" at -19.118,-4.521 h1.5; Top Assembly "TP1" at 23.884,3.556 h1.5
U1_3: Top Assembly "TP27" at 54.704,7.62 h1.5; Top Assembly "M3" at 96.868,27.195 h1.5; Top Assembly "M3" at 96.995,-28.05 h1.5; Top Assembly "M3" at 48.227,-28.177 h1.5; Top Assembly "M3" at 48.481,27.068 h1.5; Top Assembly "ALIGN" at 103.218,26.433 h1.5; Top Assembly "ALIGN" at 103.345,-27.288 h1.5; Top Assembly "ALIGN" at 39.21,-27.415 h1.5; Top Assembly "ALIGN" at 39.21,26.306 h1.5; Top Assembly "TP25" at 70.071,21.734 h1.5; Top Assembly "TP26" at 81.793,-21.482 h1.5; Top Assembly "TP24" at 97.122,-5.461 h1.5; Top Assembly "TP22" at 90.137,8.509 h1.5; Top Assembly "TP23" at 103.218,8.526 h1.5; Top Assembly "TP21" at 96.868,6.604 h1.5; Top Assembly "TP20" at 89.121,1.414 h1.5; Top Assembly "TP19" at 87.089,-3.412 h1.5; Top Assembly "TP18" at 63.086,19.829 h1.5; Top Assembly "TP17" at 78.377,-13.792 h1.5; Top Assembly "TP16" at 67.074,-3.743 h1.5; Top Assembly "TP15" at 92.042,-15.604 h1.5; Top Assembly "TP14" at 92.169,-11.557 h1.5; Top Assembly "TP13" at 54.882,-15.3 h1.5; Top Assembly "TP12" at 68.979,-25.349 h1.5; Top Assembly "TP11" at 78.25,-25.476 h1.5; Top Assembly "TP10" at 73.043,-21.523 h1.5; Top Assembly "TP9" at 67.277,18.432 h1.5; Top Assembly "TP8" at 81.298,23.309 h1.5; Top Assembly "TP7" at 67.277,23.622 h1.5; Top Assembly "TP6" at 77.437,19.702 h1.5; Top Assembly "TP5" at 54.755,2.607 h1.5; Top Assembly "TP4" at 97.884,0.508 h1.5; Top Assembly "TP3" at 97.884,-2.523 h1.5; Top Assembly "TP2" at 54.882,-4.521 h1.5; Top Assembly "TP1" at 97.884,3.556 h1.5
U1_4: Top Assembly "TP27" at 128.704,7.62 h1.5; Top Assembly "M3" at 170.868,27.195 h1.5; Top Assembly "M3" at 170.995,-28.05 h1.5; Top Assembly "M3" at 122.227,-28.177 h1.5; Top Assembly "M3" at 122.481,27.068 h1.5; Top Assembly "ALIGN" at 177.218,26.433 h1.5; Top Assembly "ALIGN" at 177.345,-27.288 h1.5; Top Assembly "ALIGN" at 113.21,-27.415 h1.5; Top Assembly "ALIGN" at 113.21,26.306 h1.5; Top Assembly "TP25" at 144.071,21.734 h1.5; Top Assembly "TP26" at 155.793,-21.482 h1.5; Top Assembly "TP24" at 171.122,-5.461 h1.5; Top Assembly "TP22" at 164.137,8.509 h1.5; Top Assembly "TP23" at 177.218,8.526 h1.5; Top Assembly "TP21" at 170.868,6.604 h1.5; Top Assembly "TP20" at 163.121,1.414 h1.5; Top Assembly "TP19" at 161.089,-3.412 h1.5; Top Assembly "TP18" at 137.086,19.829 h1.5; Top Assembly "TP17" at 152.377,-13.792 h1.5; Top Assembly "TP16" at 141.074,-3.743 h1.5; Top Assembly "TP15" at 166.042,-15.604 h1.5; Top Assembly "TP14" at 166.169,-11.557 h1.5; Top Assembly "TP13" at 128.882,-15.3 h1.5; Top Assembly "TP12" at 142.979,-25.349 h1.5; Top Assembly "TP11" at 152.25,-25.476 h1.5; Top Assembly "TP10" at 147.043,-21.523 h1.5; Top Assembly "TP9" at 141.277,18.432 h1.5; Top Assembly "TP8" at 155.298,23.309 h1.5; Top Assembly "TP7" at 141.277,23.622 h1.5; Top Assembly "TP6" at 151.437,19.702 h1.5; Top Assembly "TP5" at 128.755,2.607 h1.5; Top Assembly "TP4" at 171.884,0.508 h1.5; Top Assembly "TP3" at 171.884,-2.523 h1.5; Top Assembly "TP2" at 128.882,-4.521 h1.5; Top Assembly "TP1" at 171.884,3.556 h1.5